# KiCad board SparkFun_GNSS_LG290P_panelized.kicad_pcb (continued)
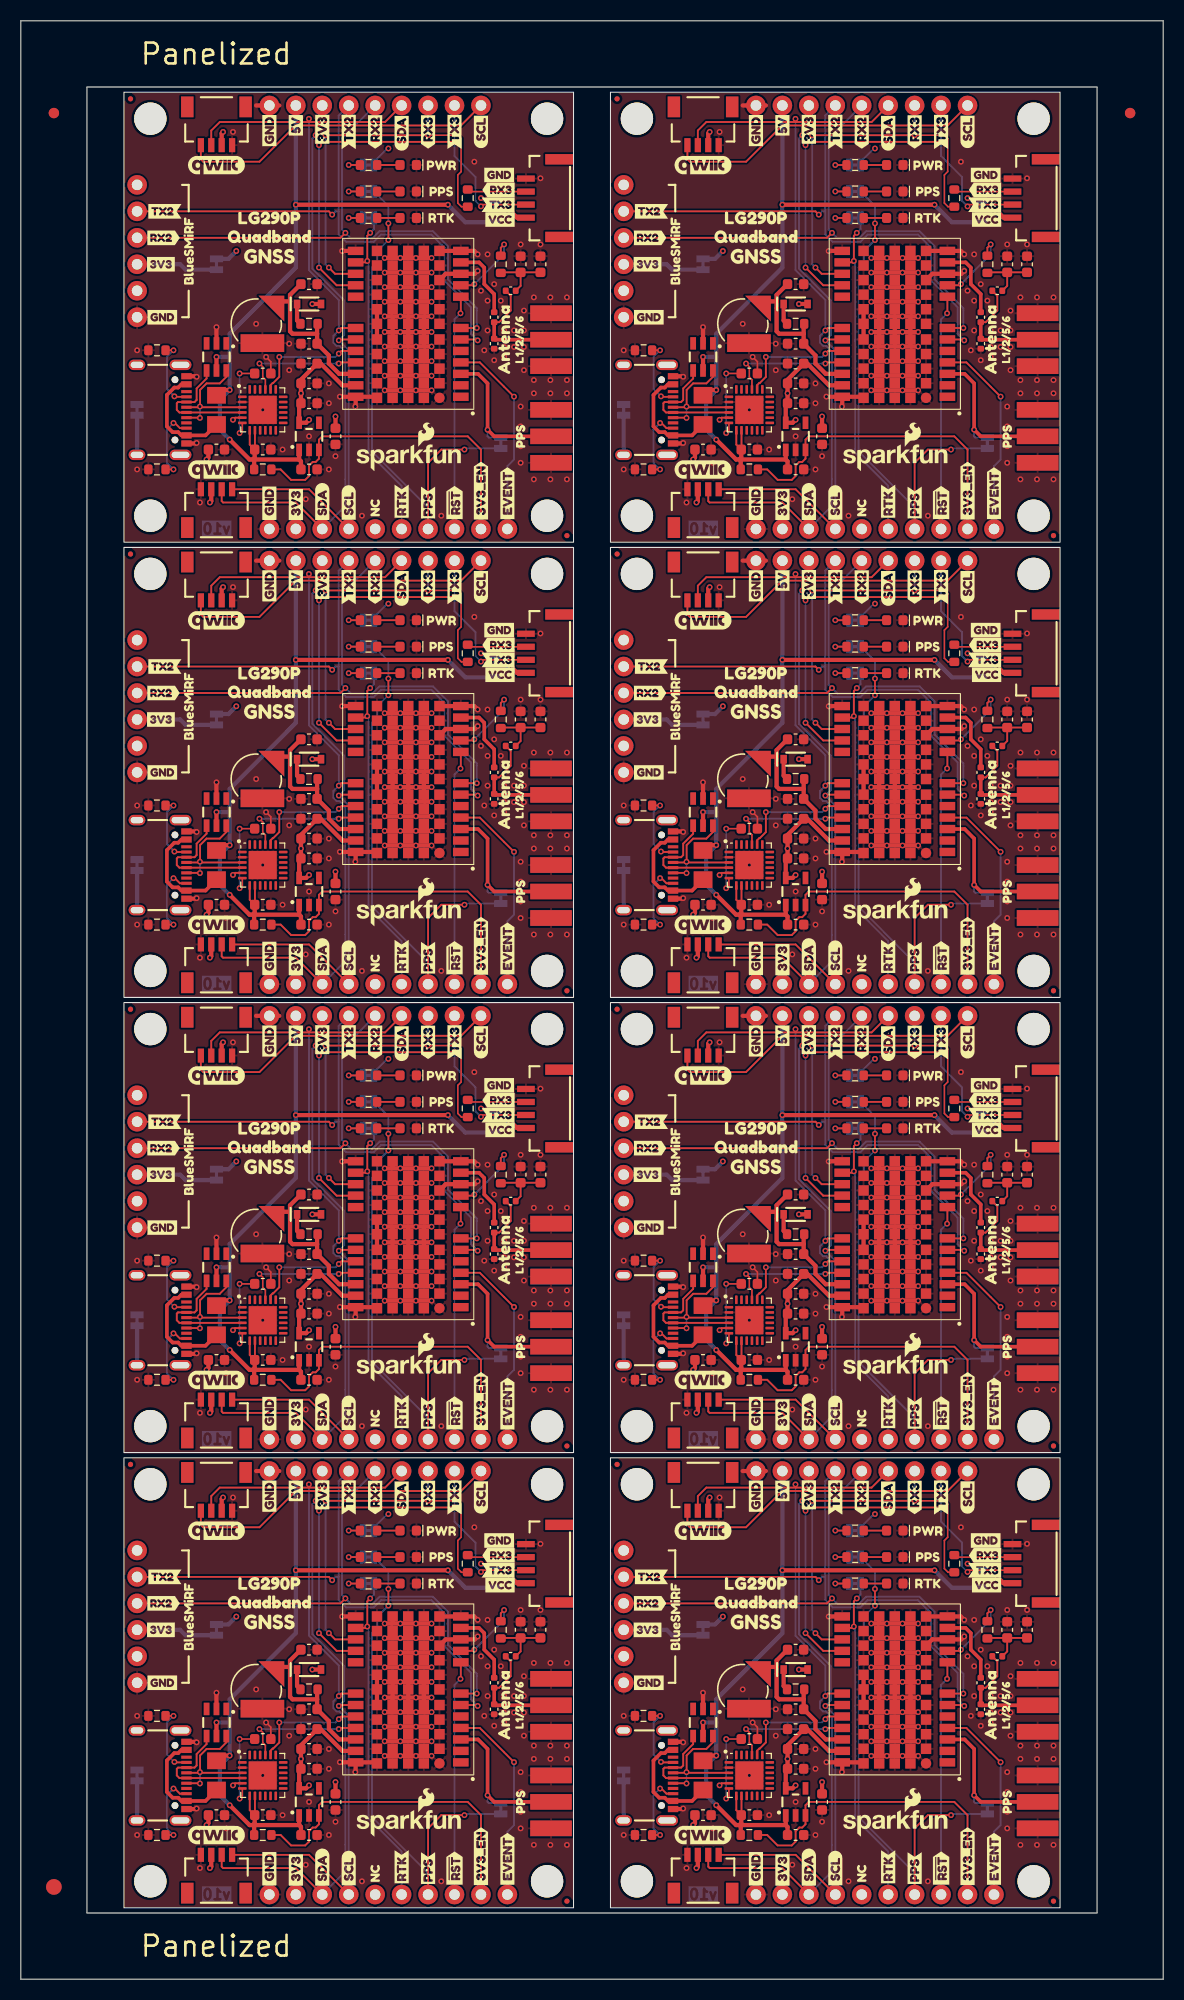
[diagram p0: board, top side]
## Routing (per net, layer and track width the routed paths; a pad name or vN(x,y) marks a point on that pad's centre or on a via; arc(x,y) is an arc through that point) (continued)
~{RESET}: length 181.2
  Top w0.178: 42.34,159.86 v1(42.22,159.86) 42.25,159.89 U3#3.8 ; U3#6.8 42.25,116.21 v1(42.22,116.18) 42.34,116.18 ; U3#4.8 88.98,116.21 v1(88.95,116.18) 89.07,116.18 ; U3.8 42.25,72.53 v1(42.22,72.5) 42.34,72.5 ; 89.07,72.5 v1(88.95,72.5) 88.98,72.53 U3#7.8 ; 89.07,159.86 v1(88.95,159.86) 88.98,159.89 U3#2.8 ; 89.07,28.82 v1(88.95,28.82) 88.98,28.85 U3#5.8 ; U3#8.8 42.25,28.85 v1(42.22,28.82) 42.34,28.82
  Bottom w0.178: v1(42.22,159.86) 41.65,159.28 J10#5.4 ; v1(88.95,116.18) 88.38,115.6 J10.4 ; J10#3.4 88.38,71.92 v1(88.95,72.5) ; v1(42.22,116.18) 41.65,115.6 J10#7.4 ; v1(42.22,28.82) 41.65,28.24 J10#8.4 ; J10#4.4 88.38,159.28 v1(88.95,159.86) ; v1(42.22,72.5) 41.65,71.92 J10#6.4 ; J10#2.4 88.38,28.24 v1(88.95,28.82)
Net-(C3-Pad1): length 46.3
  Top w0.178: L1#7.1 94.73,162.49 C4.1 ; C4#6.1 46.14,163.78 R6#4.2 ; C4#6.1 C3#2.1 ; C4#6.1 48,162.49 L1#2.1 ; C4#3.1 46.14,76.43 R6#3.2 ; C4#3.1 48,75.13 L1#3.1 ; C4#3.1 C3#3.1 ; C4#2.1 92.87,32.75 R6.2 ; C4#2.1 94.73,31.45 L1.1 ; C4#2.1 C3#4.1 ; R6#7.2 92.87,120.11 C4#7.1 ; C4.1 92.87,163.78 R6#2.2 ; C4.1 C3#7.1 ; C4#7.1 C3#6.1 ; C4#7.1 94.73,118.81 L1#8.1 ; C4#4.1 48,118.81 L1#4.1 ; C4#4.1 C3.1 ; C4#4.1 46.14,120.11 R6#5.2 ; C3#5.1 C4#5.1 ; C4#5.1 92.87,76.43 R6#6.2 ; C4#5.1 94.73,75.13 L1#6.1 ; C3#8.1 C4#8.1 ; C4#8.1 46.14,32.75 R6#8.2 ; C4#8.1 48,31.45 L1#5.1
Net-(D1-A): length 17.6
  Top w0.178: R4#6.2 D1#3.2 ; R4#8.2 D1#8.2 ; R4#5.2 D1#5.2 ; R4#3.2 D1#7.2 ; R4#2.2 D1#6.2 ; R4.2 D1.2 ; R4#4.2 D1#4.2 ; R4#7.2 D1#2.2
Net-(D2-A): length 17.6
  Top w0.178: R3#6.2 D2#4.2 ; R3.2 D2#6.2 ; R3#2.2 D2#8.2 ; R3#5.2 D2#3.2 ; R3#8.2 D2#2.2 ; R3#3.2 D2#7.2 ; R3#4.2 D2#5.2 ; R3#7.2 D2.2
Net-(D3-A2): length 89.9
  Top w0.178: L1#7.2 93.77,161.54 93.77,160.12 92.66,159 C6#6.1 ; C6#2.1 92.66,115.32 93.77,116.44 93.77,117.86 L1#8.2 ; L1#4.2 47.05,117.86 47.05,116.44 45.93,115.32 C6#5.1 ; L1#2.2 47.05,161.54 47.05,160.12 45.93,159 C6#4.1 ; 45.46,27.96 45.93,27.96 47.05,29.08 47.05,30.5 L1#5.2 ; L1#6.2 93.77,74.18 93.77,72.75 92.66,71.64 C6#7.1 ; C6#3.1 45.93,71.64 47.05,72.75 47.05,74.18 L1#3.2 ; 92.19,27.96 92.66,27.96 93.77,29.08 93.77,30.5 L1.2
  Top w0.349: C6#6.1 D3#3.2 92.28,157.32 J5#8.1 ; J5.1 45.56,26.28 D3.2 45.46,27.96 ; J5#2.1 45.56,113.64 D3#5.2 C6#5.1 ; J5#6.1 92.28,26.28 D3#7.2 92.19,27.96 ; C6#4.1 D3#6.2 45.56,157.32 J5#7.1 ; J5#5.1 92.28,113.64 D3#4.2 C6#2.1 ; J5#4.1 45.56,69.96 D3#2.2 C6#3.1 ; J5#3.1 92.28,69.96 D3#8.2 C6#7.1
Net-(D4-A): length 17.6
  Top w0.178: R5.2 D4#8.2 ; R5#5.2 D4#7.2 ; R5#7.2 D4#4.2 ; R5#3.2 D4#3.2 ; R5#4.2 D4#6.2 ; R5#6.2 D4#5.2 ; R5#2.2 D4.2 ; R5#8.2 D4#2.2
Net-(D5-PadC): length 16.3
  Top w0.406: R7#6.1 73.26,115.49 D5#7.C ; D5#4.C 73.26,71.81 R7#8.1 ; D5#3.C 26.53,159.17 R7#2.1 ; R7.1 26.53,28.13 D5.C ; D5#2.C 26.53,71.81 R7#5.1 ; D5#6.C 26.53,115.49 R7#3.1 ; D5#5.C 73.26,159.17 R7#7.1 ; D5#8.C 73.26,28.13 R7#4.1
Net-(F1-Pad1): length 87
  Top w0.349: F1#2.1 64.47,17.1 62.15,17.1 61.84,17.41 61.31,17.41 60.75,17.96 60.75,20.98 61.47,21.69 61.84,21.69 62.15,22 J1.VBUS ; 18.79,149.19 17.74,148.14 J1#6.VBUS 15.42,148.14 15.11,148.45 14.58,148.45 14.03,149 14.03,152.02 14.74,152.73 15.11,152.73 15.42,153.04 J1#6.VBUS ; F1#4.1 64.47,60.78 J1#3.VBUS 62.15,60.78 61.84,61.09 61.31,61.09 60.75,61.64 60.75,64.66 61.47,65.37 61.84,65.37 62.15,65.68 J1#3.VBUS ; J1#2.VBUS 15.42,65.68 15.11,65.37 14.74,65.37 14.03,64.66 14.03,61.64 14.58,61.09 15.11,61.09 15.42,60.78 J1#2.VBUS 17.74,60.78 F1#3.1 ; 65.52,105.51 64.47,104.46 J1#7.VBUS 62.15,104.46 61.84,104.77 61.31,104.77 60.75,105.32 60.75,108.34 61.47,109.05 61.84,109.05 62.15,109.36 J1#7.VBUS ; F1#8.1 17.74,17.1 15.42,17.1 15.11,17.41 14.58,17.41 14.03,17.96 14.03,20.98 14.74,21.69 15.11,21.69 15.42,22 J1#8.VBUS ; J1#4.VBUS 15.42,109.36 15.11,109.05 14.74,109.05 14.03,108.34 14.03,105.32 14.58,104.77 15.11,104.77 15.42,104.46 J1#4.VBUS 17.74,104.46 18.79,105.51 ; J1#5.VBUS 62.15,153.04 61.84,152.73 61.47,152.73 60.75,152.02 60.75,149 61.31,148.45 61.84,148.45 62.15,148.14 J1#5.VBUS 64.47,148.14 65.52,149.19
Net-(J1-CC1): length 55.3
  Top w0.178: R2#2.1 v1(14.66,68.94) ; 60.63,68.94 v1(61.39,68.94) ; 60.63,112.62 v1(61.39,112.62) ; R2#8.1 v1(14.66,112.62) ; v1(61.48,108.21) 61.52,108.16 J1#7.A5 ; v1(14.75,108.21) 14.8,108.16 J1#4.A5 ; J1#3.A5 61.52,64.48 v1(61.48,64.53) ; 60.63,156.31 v1(61.39,156.31) ; v1(61.48,151.89) 61.52,151.84 J1#5.A5 ; J1.A5 61.52,20.8 v1(61.48,20.85) ; v1(14.75,151.89) 14.8,151.84 J1#6.A5 ; v1(14.75,20.85) 14.8,20.8 J1#8.A5 ; R2#3.1 v1(14.66,156.31) ; 60.63,25.27 v1(61.39,25.27) ; v1(14.75,64.53) 14.8,64.48 J1#2.A5 ; R2.1 v1(14.66,25.27)
  Bottom w0.178: v1(14.75,151.89) 14.04,152.59 14.04,155.69 v1(14.66,156.31) ; v1(14.66,112.62) 14.04,112.01 14.04,108.91 v1(14.75,108.21) ; v1(61.48,108.21) 60.77,108.91 60.77,112.01 v1(61.39,112.62) ; v1(61.48,20.85) 60.77,21.55 60.77,24.65 v1(61.39,25.27) ; v1(14.75,64.53) 14.04,65.23 14.04,68.33 v1(14.66,68.94) ; v1(61.48,151.89) 60.77,152.59 60.77,155.69 v1(61.39,156.31) ; v1(14.75,20.85) 14.04,21.55 14.04,24.65 v1(14.66,25.27) ; v1(61.48,64.53) 60.77,65.23 60.77,68.33 v1(61.39,68.94)
Net-(J1-CC2): length 57.6
  Top w0.178: J1#8.B5 15.28,17.8 14.78,18.29 v1(14.66,18.29) ; v1(14.66,149.33) 14.78,149.33 15.28,148.84 J1#6.B5 ; J1#3.B5 62,61.48 61.51,61.97 v1(61.39,61.97) ; v1(14.66,105.65) 14.78,105.65 15.28,105.16 J1#4.B5 ; v1(61.39,149.33) 61.51,149.33 62,148.84 J1#5.B5 ; v1(61.39,18.29) 61.51,18.29 62,17.8 J1.B5 ; v1(14.66,61.97) 14.78,61.97 15.28,61.48 J1#2.B5 ; R1#7.1 v1(14.66,144.88) ; R1#4.1 v1(14.66,13.84) ; 60.63,13.84 v1(61.39,13.84) ; R1#6.1 v1(14.66,101.2) ; v1(61.39,105.65) 61.51,105.65 62,105.16 J1#7.B5 ; 60.63,57.52 v1(61.39,57.52) ; 60.63,144.88 v1(61.39,144.88) ; R1#5.1 v1(14.66,57.52) ; 60.63,101.2 v1(61.39,101.2)
  Bottom w0.178: v1(14.66,57.52) 14.03,58.15 14.03,61.34 v1(14.66,61.97) ; v1(61.39,61.97) 60.75,61.34 60.75,58.15 v1(61.39,57.52) ; v1(61.39,144.88) 60.75,145.51 60.75,148.7 v1(61.39,149.33) ; v1(14.66,101.2) 14.03,101.83 14.03,105.02 v1(14.66,105.65) ; v1(14.66,149.33) 14.03,148.7 14.03,145.51 v1(14.66,144.88) ; v1(61.39,101.2) 60.75,101.83 60.75,105.02 v1(61.39,105.65) ; v1(61.39,13.84) 60.75,14.47 60.75,17.66 v1(61.39,18.29) ; v1(14.66,18.29) 14.03,17.66 14.03,14.47 v1(14.66,13.84)
Net-(J1-SHIELD): length 30.4
  Bottom w0.406: JP7#3.2 57.89,15.24 J1.S ; JP7.2 11.16,15.24 J1#8.S ; JP7#6.2 57.89,102.6 J1#7.S ; JP7#5.2 57.89,58.92 J1#3.S ; JP7#2.2 11.16,58.92 J1#2.S ; J1#5.S 57.89,146.28 JP7#8.2 ; J1#4.S 11.16,102.6 JP7#4.2 ; J1#6.S 11.16,146.28 JP7#7.2
Net-(J2-Pin_4): length 62.7
  Bottom w0.406: JP1#4.1 15.82,164.04 15.3,164.56 J2.4 ; J2#6.4 62.02,164.56 62.54,164.04 JP1#5.1 ; J2#3.4 15.3,77.2 15.82,76.68 JP1#3.1 ; J2#8.4 15.3,33.52 15.82,33 JP1#8.1 ; JP1#2.1 62.54,33 62.02,33.52 J2#2.4 ; JP1#7.1 62.54,120.36 62.02,120.88 57.9,120.88 ; JP1#6.1 62.54,76.68 62.02,77.2 J2#5.4 ; JP1.1 15.82,120.36 15.3,120.88 11.17,120.88
Net-(J3-In): length 125.6
  Top w0.349: J3#7.1 92.19,104.37 v1(91.55,105) 91.55,109.45 90.64,110.37 U3#4.3 ; J3#2.1 45.46,148.05 v1(44.82,148.69) 44.82,153.13 43.91,154.05 U3#3.3 ; J3#3.1 92.19,60.69 v1(91.55,61.33) 91.55,65.77 90.64,66.69 U3#7.3 ; J3#4.1 92.19,17.01 v1(91.55,17.64) 91.55,22.09 90.64,23.01 U3#5.3 ; J3.1 45.46,104.37 v1(44.82,105) 44.82,109.45 43.91,110.37 U3#6.3 ; J3#8.1 45.46,17.01 v1(44.82,17.64) 44.82,22.09 43.91,23.01 U3#8.3 ; U3#2.3 90.64,154.05 91.55,153.13 v1(91.55,148.69) 92.19,148.05 J3#5.1 ; J3#6.1 45.46,60.69 v1(44.82,61.33) 44.82,65.77 43.91,66.69 U3.3
  Bottom w0.178: v1(44.82,105) 44.82,104.37 44.94,104.26 JP6#5.1 ; v1(91.55,61.33) 91.55,60.69 91.67,60.58 JP6#2.1 ; JP6#4.1 91.67,147.94 91.55,148.05 v1(91.55,148.69) ; v1(44.82,148.69) 44.82,148.05 44.94,147.94 JP6#6.1 ; v1(91.55,105) 91.55,104.37 91.67,104.26 JP6#3.1 ; v1(91.55,17.64) 91.55,17.01 91.67,16.9 JP6#7.1 ; v1(44.82,17.64) 44.82,17.01 44.94,16.9 JP6.1 ; JP6#8.1 44.94,60.58 44.82,60.69 v1(44.82,61.33)
Net-(J8-Pin_1): length 26.4
  Top w0.406: J8#6.1 94.38,81.68 v1(93.77,82.28) ; J8#8.1 94.38,169.03 v1(93.77,169.64) ; J8.1 47.65,38 v1(47.05,38.6) ; v1(47.05,125.96) 47.65,125.36 J8#4.1 ; v1(47.05,169.64) 47.65,169.03 J8#2.1 ; v1(93.77,38.6) 94.38,38 J8#5.1 ; v1(47.05,82.28) 47.65,81.68 J8#3.1 ; J8#7.1 94.38,125.36 v1(93.77,125.96)
  Bottom w0.406: JP4#7.2 v1(93.77,82.28) ; JP4#4.2 v1(47.05,169.64) ; JP4#3.2 v1(47.05,125.96) ; JP4#2.2 v1(47.05,82.28) ; JP4#8.2 v1(93.77,169.64) ; JP4#6.2 v1(93.77,125.96) ; JP4#5.2 v1(93.77,38.6) ; JP4.2 v1(47.05,38.6)
Net-(J8-Pin_3): length 45.4
  Top w0.152: R8#6.2 43.12,84.18 J8#3.3 ; J8#8.3 89.85,171.53 R8.2 ; R8#5.2 89.85,84.18 J8#6.3 ; J8#5.3 89.85,40.5 R8#2.2 ; J8#4.3 43.12,127.86 R8#3.2 ; R8#8.2 43.12,40.5 J8.3 ; J8#2.3 43.12,171.53 R8#4.2 ; J8#7.3 89.85,127.86 R8#7.2
Net-(JP2-A): length 19.7
  Top w0.178: 79.3,43.05 v1(78.22,43.05) ; R4#3.1 v1(31.49,174.09) ; 79.3,86.72 v1(78.22,86.72) ; R4#2.1 v1(31.49,86.72) ; R4#5.1 v1(31.49,130.41) ; 79.3,130.41 v1(78.22,130.41) ; 79.3,174.09 v1(78.22,174.09) ; R4.1 v1(31.49,43.05)
  Bottom w0.178: JP2.1 v1(31.49,43.05) ; JP2#6.1 v1(31.49,174.09) ; JP2#7.1 v1(78.22,43.05) ; JP2#5.1 v1(31.49,86.72) ; JP2#3.1 v1(78.22,130.41) ; JP2#8.1 v1(78.22,86.72) ; JP2#4.1 v1(78.22,174.09) ; JP2#2.1 v1(31.49,130.41)
Net-(JP3-A): length 19.7
  Top w0.178: R5#6.1 v1(31.49,84.19) ; 79.3,40.51 v1(78.22,40.51) ; R5#7.1 v1(31.49,171.55) ; R5.1 v1(31.49,40.51) ; 79.3,84.19 v1(78.22,84.19) ; 79.3,127.87 v1(78.22,127.87) ; 79.3,171.55 v1(78.22,171.55) ; R5#2.1 v1(31.49,127.87)
  Bottom w0.178: JP3#7.1 v1(78.22,127.87) ; JP3#4.1 v1(31.49,84.19) ; JP3#3.1 v1(31.49,171.55) ; JP3.1 v1(31.49,40.51) ; JP3#8.1 v1(78.22,171.55) ; JP3#2.1 v1(78.22,84.19) ; JP3#6.1 v1(78.22,40.51) ; JP3#5.1 v1(31.49,127.87)
Net-(JP5-A): length 19.7
  Top w0.178: R3#6.1 v1(31.49,81.65) ; 79.3,81.65 v1(78.22,81.65) ; R3#5.1 v1(31.49,169) ; 79.3,125.33 v1(78.22,125.33) ; 79.3,37.97 v1(78.22,37.97) ; R3#7.1 v1(31.49,125.33) ; R3#8.1 v1(31.49,37.97) ; 79.3,169 v1(78.22,169)
  Bottom w0.178: v1(31.49,169) JP5#6.1 ; v1(31.49,37.97) JP5.1 ; v1(78.22,125.33) JP5#5.1 ; v1(31.49,81.65) JP5#3.1 ; v1(31.49,125.33) JP5#7.1 ; v1(78.22,37.97) JP5#4.1 ; v1(78.22,81.65) JP5#8.1 ; v1(78.22,169) JP5#2.1
Net-(U1-I/O3): length 98.3
  Top w0.178: U4#5.4 J1#7.A7 61.96,106.66 61.71,106.91 61.71,107.55 61.82,107.66 J1#7.B7 63.41,107.66 63.61,107.86 63.61,108.96 64.57,109.92 U1#6.4 ; U1#7.4 64.57,153.6 63.61,152.64 63.61,151.54 63.41,151.34 J1#5.B7 61.82,151.34 61.71,151.22 61.71,150.59 61.96,150.34 J1#5.A7 U4#4.4 ; U4#6.4 J1#4.A7 15.23,106.66 14.98,106.91 14.98,107.55 15.09,107.66 J1#4.B7 16.68,107.66 16.88,107.86 16.88,108.96 17.84,109.92 U1#4.4 ; U4.4 J1.A7 61.96,19.3 61.71,19.55 61.71,20.19 61.82,20.3 J1.B7 63.41,20.3 63.61,20.5 63.61,21.6 64.57,22.56 U1#5.4 ; U4#3.4 J1#3.A7 61.96,62.98 61.71,63.23 61.71,63.87 61.82,63.98 J1#3.B7 63.41,63.98 63.61,64.18 63.61,65.28 64.57,66.24 U1#3.4 ; U4#8.4 J1#8.A7 15.23,19.3 14.98,19.55 14.98,20.19 15.09,20.3 J1#8.B7 16.68,20.3 16.88,20.5 16.88,21.6 17.84,22.56 U1#8.4 ; U1#2.4 17.84,66.24 16.88,65.28 16.88,64.18 16.68,63.98 J1#2.B7 15.09,63.98 14.98,63.87 14.98,63.23 15.23,62.98 J1#2.A7 U4#2.4 ; U4#7.4 J1#6.A7 15.23,150.34 14.98,150.59 14.98,151.22 15.09,151.34 J1#6.B7 16.68,151.34 16.88,151.54 16.88,152.64 17.84,153.6 U1.4
Net-(U1-I/O4): length 104.6
  Top w0.178: 63.93,107.16 63.94,107.17 63.94,108.83 64.56,109.45 65.83,109.45 66.47,110.08 66.47,110.69 ; 63.93,107.16 J1#7.A6 ; 63.93,107.16 U4#5.3 ; J1#8.B6 17.18,18.8 v1(17.2,18.78) ; v1(63.93,18.78) 63.91,18.8 J1.B6 ; 63.93,19.8 63.94,19.81 63.94,21.47 64.56,22.09 65.83,22.09 66.47,22.72 66.47,23.33 ; 63.93,19.8 U4.3 ; 63.93,19.8 J1.A6 ; 66.47,154.37 66.47,153.76 65.83,153.13 64.56,153.13 63.94,152.51 63.94,150.85 63.93,150.84 ; 17.2,150.84 17.21,150.85 17.21,152.51 17.84,153.13 19.11,153.13 19.74,153.76 U1.6 ; 17.2,150.84 U4#7.3 ; 17.2,150.84 J1#6.A6 ; v1(63.93,62.46) 63.91,62.48 J1#3.B6 ; 63.93,63.48 U4#3.3 ; 63.93,63.48 63.94,63.49 63.94,65.15 64.56,65.77 65.83,65.77 66.47,66.4 66.47,67.01 ; 63.93,63.48 J1#3.A6 ; 17.2,107.16 U4#6.3 ; 17.2,107.16 J1#4.A6 ; 17.2,107.16 17.21,107.17 17.21,108.83 17.84,109.45 19.11,109.45 19.74,110.08 U1#4.6 ; J1#7.B6 63.91,106.16 v1(63.93,106.14) ; J1#2.B6 17.18,62.48 v1(17.2,62.46) ; v1(63.93,149.82) 63.91,149.84 J1#5.B6 ; U1#2.6 19.74,66.4 19.11,65.77 17.84,65.77 17.21,65.15 17.21,63.49 17.2,63.48 ; J1#2.A6 17.2,63.48 ; 17.2,63.48 U4#2.3 ; v1(17.2,106.14) 17.18,106.16 J1#4.B6 ; v1(17.2,149.82) 17.18,149.84 J1#6.B6 ; J1#8.A6 17.2,19.8 ; 17.2,19.8 U4#8.3 ; 17.2,19.8 17.21,19.81 17.21,21.47 17.84,22.09 19.11,22.09 19.74,22.72 U1#8.6 ; J1#5.A6 63.93,150.84 ; 63.93,150.84 U4#4.3
  Bottom w0.178: v1(17.2,106.14) v1(17.2,107.23) ; v1(63.93,62.46) v1(63.93,63.55) ; v1(17.2,62.46) v1(17.2,63.55) ; v1(63.93,106.14) v1(63.93,107.23) ; v1(63.93,18.78) v1(63.93,19.87) ; v1(17.2,18.78) v1(17.2,19.87) ; v1(17.2,149.82) v1(17.2,150.91) ; v1(63.93,149.82) v1(63.93,150.91)
Net-(U4-V3): length 65.9
  Top w0.152: U4#2.6 21.27,61.27 v1(21.01,61.01) ; U4#4.6 68,148.63 v1(67.74,148.37) ; v1(21.01,17.33) 21.27,17.59 U4#8.6 ; U4#6.6 21.27,104.95 v1(21.01,104.69) ; v1(67.74,104.69) 68,104.95 U4#5.6 ; C10.2 v1(21.01,66.72) ; C10#5.2 v1(21.01,23.04) ; C10#6.2 v1(67.74,154.08) ; C10#7.2 v1(67.74,66.72) ; C10#4.2 v1(67.74,23.04) ; v1(67.74,61.01) 68,61.27 U4#3.6 ; C10#2.2 v1(21.01,110.4) ; C10#3.2 v1(21.01,154.08) ; v1(67.74,17.33) 68,17.59 U4.6 ; C10#8.2 v1(67.74,110.4) ; U4#7.6 21.27,148.63 v1(21.01,148.37)
  Bottom w0.152: v1(21.01,104.69) v1(21.01,110.4) ; v1(21.01,61.01) v1(21.01,66.72) ; v1(67.74,61.01) v1(67.74,66.72) ; v1(67.74,104.69) v1(67.74,110.4) ; v1(67.74,17.33) v1(67.74,23.04) ; v1(21.01,148.37) v1(21.01,154.08) ; v1(67.74,148.37) v1(67.74,154.08) ; v1(21.01,17.33) v1(21.01,23.04)

## Copper pours and planes (outline as drawn; the poured copper is in the pictures)
3.3V on In2.Cu: 9.9,6.85 9.9,50.03 53.08,50.03 53.08,6.85
3.3V on In2.Cu: 9.9,50.53 9.9,93.71 53.08,93.71 53.08,50.53
3.3V on In2.Cu: 9.9,94.21 9.9,137.39 53.08,137.39 53.08,94.21
3.3V on In2.Cu: 56.63,50.53 56.63,93.71 99.81,93.71 99.81,50.53
3.3V on In2.Cu: 56.63,6.85 56.63,50.03 99.81,50.03 99.81,6.85
3.3V on In2.Cu: 56.63,137.89 56.63,181.07 99.81,181.07 99.81,137.89
3.3V on In2.Cu: 56.63,94.21 56.63,137.39 99.81,137.39 99.81,94.21
3.3V on In2.Cu: 9.9,137.89 9.9,181.07 53.08,181.07 53.08,137.89
GND on Top, Bottom, In1.Cu: 56.63,50.53 56.63,93.71 99.81,93.71 99.81,50.53
GND on Top, Bottom, In1.Cu: 56.63,94.21 56.63,137.39 99.81,137.39 99.81,94.21
GND on Top, Bottom, In1.Cu: 56.63,137.89 56.63,181.07 99.81,181.07 99.81,137.89
GND on Top, Bottom, In1.Cu: 56.63,6.85 56.63,50.03 99.81,50.03 99.81,6.85
GND on Top, Bottom, In1.Cu: 9.9,50.53 9.9,93.71 53.08,93.71 53.08,50.53
GND on Top, Bottom, In1.Cu: 9.9,6.85 9.9,50.03 53.08,50.03 53.08,6.85
GND on Top, Bottom, In1.Cu: 9.9,137.89 9.9,181.07 53.08,181.07 53.08,137.89
GND on Top, Bottom, In1.Cu: 9.9,94.21 9.9,137.39 53.08,137.39 53.08,94.21

## Text on the board
Bottom: v10
User.Comments: V-SCORE | ROUTE OUT
F.Fab: Layers: 2 | Solder Mask: Red | Silkscreen Color: White | Thickness: 1.6mm | Finish: ENIG | Controlled Impedance: JLC7628 | Material: TG155 | No Clean Process | Outer Copper Weight: 1oz | Inner Copper Weight: 0.5oz | Ordering Notes
F.Silkscreen: Panelized
